# KiCad board mainboard.kicad_pcb (continued)
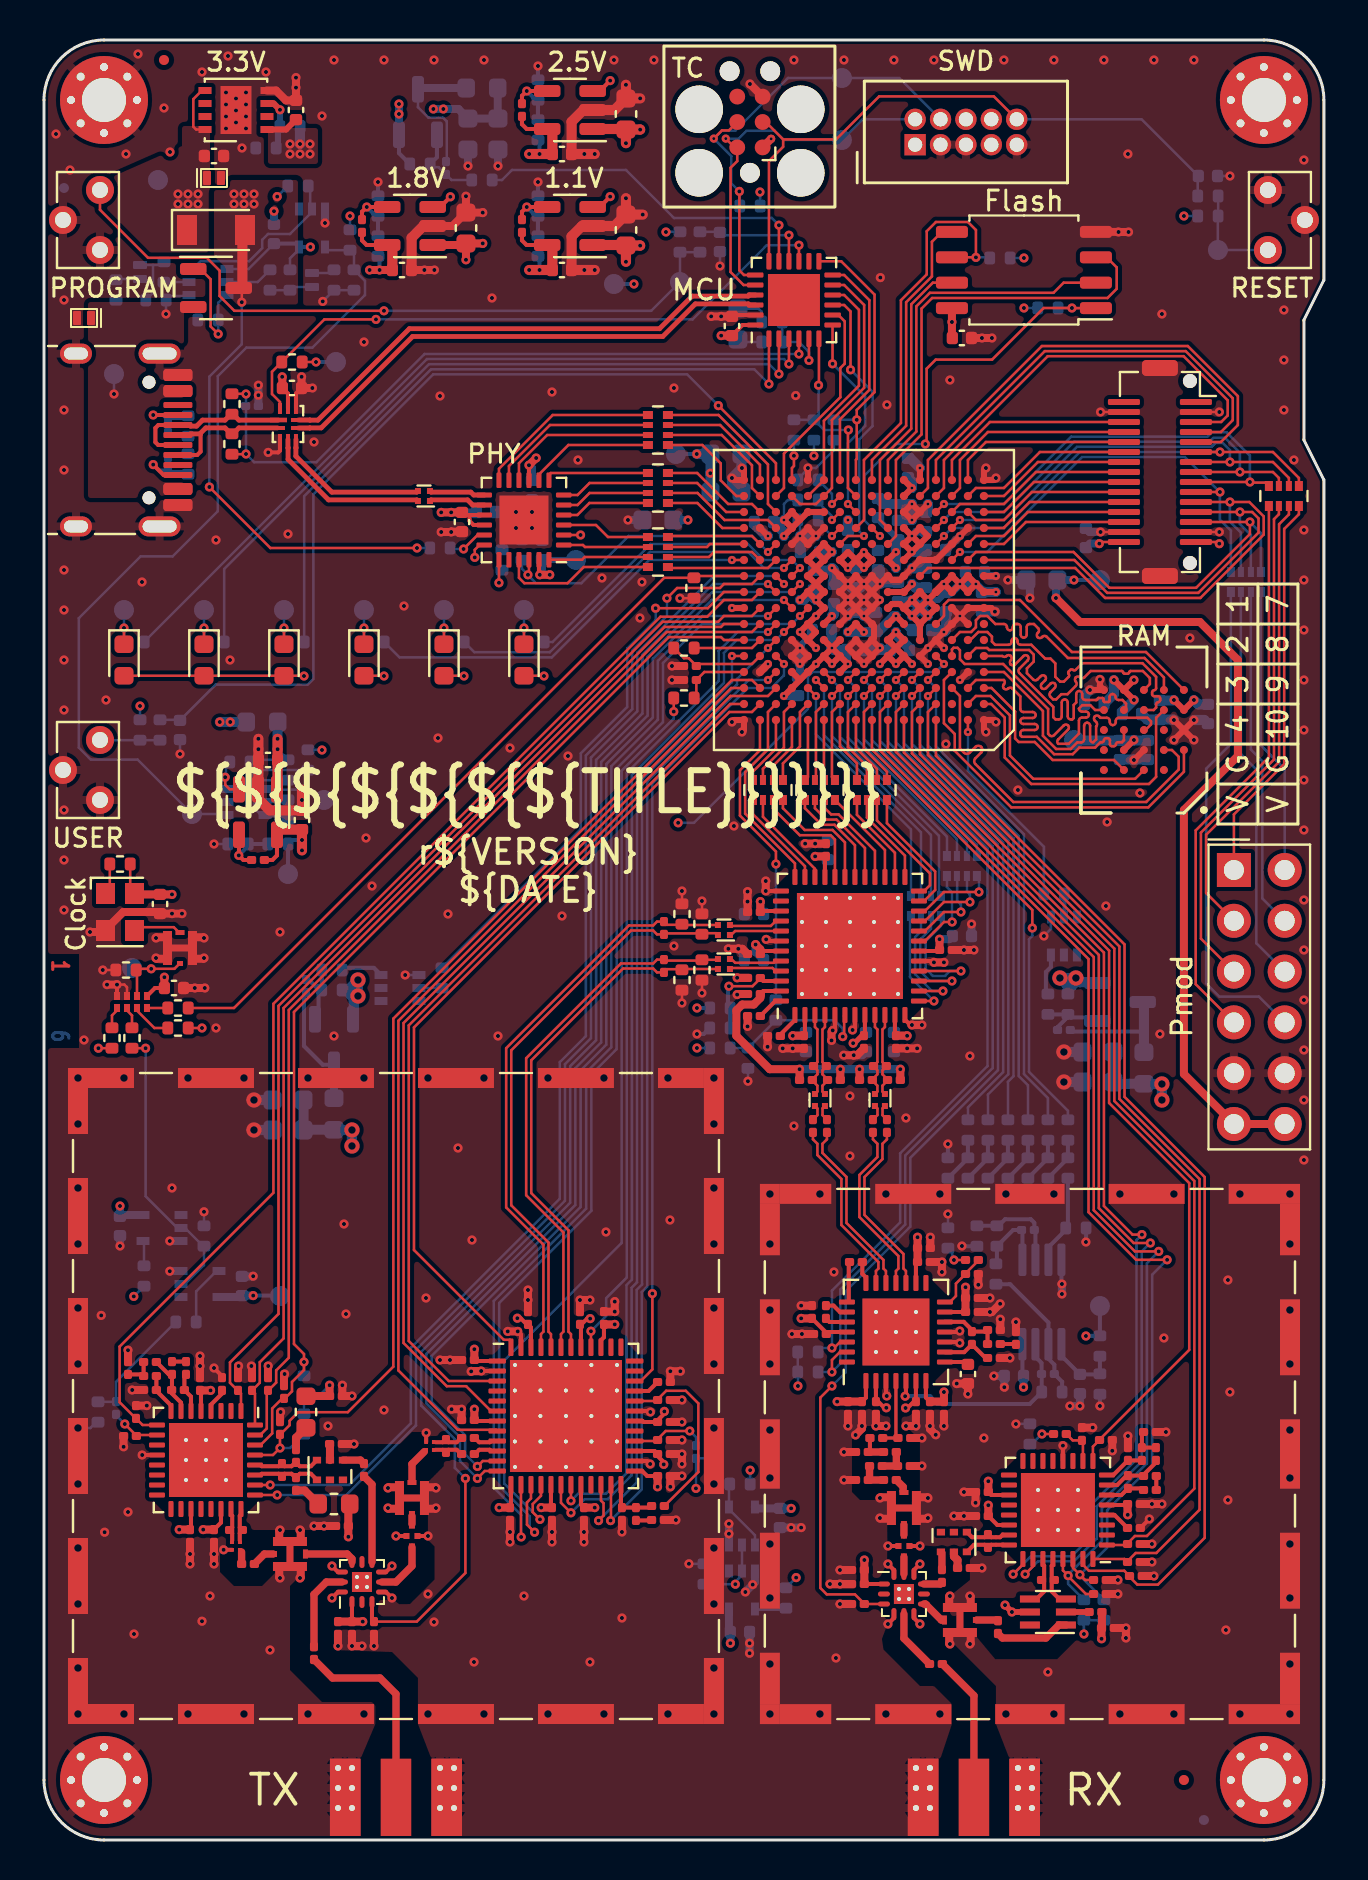
[diagram p0: board, top side]
## Nets (continued)
Net-(U20-D): R36.2 U20.1 U20.4
Net-(U21-Y1): R104.1 U21.5
Net-(U21-Y2): R105.1 U21.6
Net-(U21-Y3): R103.1 U21.7
Net-(U21-Y4): R45.1 U21.8
Net-(U24-ADJ): C185.2 R109.2 R117.1 U24.4
Net-(U24-VIN): C162.1 FB3.1 R108.1 R118.1 U24.1
Net-(Y1-OE): R18.2 Y1.1

Pads without a net: J1 A8 B8; J2 6 7 8; J3 6; J6 1 30; Q4 3 4 5; Q7 3 4 5; T1 5 6; T2 6; T5 5 6; U1 A3 B3 F1 G1 K4 M8 M9 P7 P8 R7 R8; U2 14 25; U4 2 6 7; U8 A2 A5 B5 C2 C5; U9 20; U11 38; U12 4 5 21 29 35 36 37 38; U13 2 3 11 13 14 15 16 17 18 20 21; U14 15 28; U16 2 8; U17 2 8; U18 2 3 11 13 14 15 16 17 18 20 21; U19 1; U22 1; U23 1; U25 1

## Via types
v1: diameter 0.457, hole 0.203, Top to Bottom, 689 vias
v2: diameter 0.41, hole 0.15, Top to Bottom, 118 vias
v3: diameter 0.762, hole 0.381, Top to Bottom, 92 vias

## Routing (per net, layer and track width the routed paths; a pad name or vN(x,y) marks a point on that pad's centre or on a via; arc(x,y) is an arc through that point)
3V3A: length 28.5
  Top w0.203: U11.39 35.87,46.45 C78.1 ; U11.8 41.05,40.27 C70.1 ; U24.5 11.65,49.23 11.42,49 C185.1 ; U11.43 35.97,44.45 C80.1 ; C76.1 39.05,49.13 U11.33 ; U11.2 38.05,40.27 C67.1 ; C74.1 42.55,40.27 U11.11
  Top w0.254: C70.1 40.9,40.22 40.52,39.84 v1(40.46,39.84)
  Top w0.4: C76.1 v1(38.56,49.18) ; v1(43.16,40.21) 43.15,40.22 C74.1 ; C78.1 v1(35.82,46.92) ; v1(35.58,44.77) 35.82,44.53 C80.1 ; v1(37.44,40.21) 37.45,40.22 C67.1
  Top w0.508: v1(12.9,49.48) v1(12.9,50) C192.1 11.91,50.52
  Bottom w0.203: TP21.1 12.2,49.79 R109.1 12.41,50 v1(12.9,50) ; R54.1 v1(32.65,41.6)
  Bottom w0.254: C69.1 41.08,40.38 40.54,39.84 v1(40.46,39.84)
  Bottom w0.4: v1(35.58,44.77) 35.58,44.4 C79.1 ; v1(38.56,49.18) 39.04,49.18 C75.1 ; C66.1 37.93,40.21 v1(37.44,40.21) ; C77.1 35.82,46.46 v1(35.82,46.92) ; C73.1 42.67,40.21 v1(43.16,40.21)
  Bottom w0.508: 15.2,42.5 R98.1 ; 15.2,42.5 v3(15.7,43) v3(15.7,42.2) ; 15.2,42.5 15.32,42.38 15.32,42.27 15.39,42.2 v3(15.7,42.2) ; R12.1 51.2,42.7 ; 51.2,42.7 v3(50.8,43.1) v3(51.6,43.1) ; 51.2,42.7 51.4,42.7 51.6,42.9 v3(51.6,43.1) ; Q5.2 52.62,42.89 51.81,42.89 v3(51.6,43.1) ; Q3.2 15.49,41.08 15.49,41.99 v3(15.7,42.2)
3V3FPGA: length 132.6
  Top w0.127: D5.2 20.99,58.21 v1(21,58.2) ; D6.2 24.99,58.21 v1(25,58.2) ; Y1.4 4.31,47.54 R18.1 ; J6.16 52.85,64.9 v1(52.77,64.82) ; v1(58.77,64.82) 58.69,64.9 J6.15 ; U9.2 v1(26.83,65.25) ; v1(21.54,64.13) 21.54,64.51 21.78,64.75 U9.18 ; D4.2 16.99,58.21 v1(17,58.2)
  Top w0.203: 21.28,66.25 21.28,65.95 21.48,65.75 U9.16 ; 21.28,66.25 21.03,66.25 C50.1 ; 21.28,66.25 U9.15 ; v1(28.31,82.17) 27.79,81.65 U5.3 ; U21.1 5.55,42.6 C158.1 ; v1(28.31,87.97) 27.79,87.45 U6.3 ; U7.3 19.81,81.65 v1(20.32,82.16) ; U9.9 v1(24.25,68.74)
  Top w0.305: U1.E6 v2(42.6,58.8) U1.E7 ; U1.E6 42.3,59.9 42.3,60.1 ; U1.E6 v2(43.4,58.8) ; U1.L11 U1.K12 U1.J11 v2(38.6,62) ; U1.L11 v2(39.4,64.4) U1.M11 38.6,64.4 ; U1.L11 38.6,64.4 ; U1.F12 v2(37.8,60.4) U1.G12 ; U1.F12 38.6,60.4 U1.G12 ; U1.F12 v2(38.6,59.6) ; U1.J12 U1.K11 U1.L12 38.6,64.4 ; U1.J12 v2(37.8,62) ; U1.J12 v2(38.6,62) ; v2(43.4,65.2) U1.N5 44.2,65.2 U1.M5 ; v2(43.4,65.2) U1.M6 v2(43.4,64.4) ; v2(43.4,65.2) U1.M5 ; v2(43.4,65.2) U1.N6 ; U1.E7 v2(41.8,58.8) ; U1.E7 U1.F6 v2(42.6,60.4) 42.3,60.1 ; v2(38.6,62) U1.H11 v2(38.6,61.2) U1.G12 ; 37.8,66 U1.P13 v2(37,66) U1.N13 ; 37.8,66 U1.N13 ; 37.8,66 U1.P12 U1.P11 ; U1.N13 v2(37,65.2) ; U1.J7 U1.J6 v2(43.4,62.8) ; U1.T6 v2(43.4,67.6) U1.R6 ; 42.3,60.1 U1.F7 ; v2(43.4,64.4) U1.M5 ; v2(43.4,64.4) U1.L6
  Top w0.4: C38.1 21.11,79.83 v1(21.94,79.83) ; C38.1 21.03,79.75 U7.1 ; C38.1 v1(21.1,79.01) ; v1(6.4,47.28) C56.1 4.57,47.28 Y1.4 ; C55.1 45.4,75.12 v1(45.4,75.9) U10.8 ; v1(19.86,66.38) v1(20.36,66.38) C50.1 ; v1(24.25,68.74) v1(24.61,69.1) ; v1(50.6,62.1) 51.8,60.9 57.8,60.9 59.7,59 59.7,54.2 57,51.5 57,38.3 J4.6 J4.12 ; C158.1 v1(6.02,43.14)
  Top w0.508: U6.1 29.08,85.55 C37.2 ; C33.1 29.81,79.72 v1(29.81,79.72) ; C33.1 29.08,79.75 U5.1 ; C33.1 v1(29.1,78.91) ; C37.2 29.81,85.53 v1(29.81,85.52) ; C37.2 v1(29.1,84.84)
  Bottom w0.127: Q2.4 10.23,78.55 C159.1 ; R37.1 v1(49,79.1) ; R40.2 37.2,67 37,66.8 v2(37,66) ; U19.5 12.75,79.53 12.3,79.08 R92.1 ; R22.1 v1(4.8,56.7) ; R38.1 v1(49,76.6) ; R97.1 v1(15.3,81.2) ; R43.1 v1(38.5,69.21)
  Bottom w0.203: v1(51.5,63) TP6.1 ; C159.1 12.58,79.82 U19.5 v1(13.32,79.65)
  Bottom w0.305: C26.1 43.28,59.48 v2(42.6,58.8)
  Bottom w0.4: v2(43.4,65.2) 43.62,65.42 C30.1 ; v1(19.47,86.55) v1(19.97,86.55) 20.72,86.55 C198.1 C199.1 22.69,86.09 FB4.2 ; C51.1 24.4,68.59 v1(24.25,68.74) ; v1(19.86,66.38) 21.6,66.38 C48.1 ; C52.1 52.3,64.82 v1(52.77,64.82) ; v1(50.6,62.1) 50.6,62.92 C20.1 v1(51.5,63) ; C19.1 v1(32.2,66)
  Bottom w0.508: v2(43.4,62.8) 43.58,62.62 C23.1 ; C26.1 43.28,59.59 42.6,60.27 v2(42.6,60.4) ; v2(37.8,62) 37.98,62 C25.1 38.5,62.1 v2(38.6,62) ; C29.1 43.4,67.92 v2(43.4,67.6) ; C21.1 v2(39.4,64.4) ; v2(37,66) 36.9,65.9 C28.1 37,65.38 v2(37,65.2) ; C22.1 44.02,64.4 v2(43.4,64.4)
3V3RX: length 39.9
  Top w0.203: C186.2 54.13,16.75 U18.5 ; U14.16 43.6,28.82 C171.1 ; C188.2 47.37,17.25 U18.19 ; U14.2 C167.1 41.71,21.92 42.02,21.61 v1(42.12,21.61) ; C166.1 41.1,22.12 U14.1 ; C169.1 44.1,22.12 U14.7 ; U14.25 39.22,25.4 C172.1 39.12,25.36 C195.1 ; U14.13 C170.1 ; U16.1 C112.1 ; U18.22 47.67,15.75 C190.2 ; v1(43.08,21.6) 43.18,21.6 43.5,21.92 C168.1 U14.6
  Top w0.4: L8.1 52.9,10.62 C130.2 v1(52.88,10.06) ; C188.2 v1(47.22,17.94) ; v1(43.68,30.14) C194.1 C171.1 ; C169.1 C174.1 v1(45,22.4) ; C195.1 v1(37.86,26.08) ; C190.2 v1(47.22,16.74) ; C186.2 54.18,16.27 v1(54.19,16.26) ; v1(39.66,21.92) C173.1 C166.1 ; v1(46.08,27.64) C175.1 C170.1 ; C112.1 C93.2 v1(41.02,14)
  Bottom w0.127: v1(37.7,22.7) 37.7,23.39 R61.2 R60.2 ; v1(52,10.3) R81.1 R80.1
  Bottom w0.203: U15.8 48.93,23.25 C104.1 ; TP13.1 R77.2 52.11,25.21 v1(52.1,25.2)
  Bottom w0.4: U20.5 35.62,16.58 C160.1 v1(37.36,16.58) ; C104.1 v1(48.98,22.64) ; v1(34.32,9.84) C161.1 34.25,10.47 U23.5
  Bottom w0.508: v3(55.9,37) v3(55.9,37.8) 55.01,37.8 FB2.2 53.56,37.81 C157.1 C156.1
3V3TX: length 41.9
  Top w0.203: C177.2 21.57,20.95 U12.7 ; v1(30.99,18.78) 30.99,18.89 30.68,19.2 C182.2 30.53,19.45 U12.27 ; U13.5 7.85,22.43 C187.2 ; U12.46 24.35,25.63 C193.1 24.14,25.78 23.83,26.09 v1(23.67,26.09) ; C63.1 26.86,25.78 ; C63.1 26.85,25.73 U12.41 ; C63.1 26.87,25.78 27.16,26.07 v1(27.31,26.07) ; C176.2 21.57,23.95 U12.1 ; U12.25 29.91,18.45 30.16,18.2 C181.2 ; U12.13 23.35,16.67 C178.2 ; U12.30 29.93,20.95 29.98,20.9 C183.2 30.68,20.98 31.02,21.32 v1(31.02,21.43) ; U13.22 8.85,15.87 C191.2 ; C179.2 25.35,16.67 U12.17 ; U17.1 C115.1 ; C180.2 26.85,16.77 U12.20 ; C189.2 7.35,15.57 U13.19 ; U12.39 27.85,24.99 28,25.14 C184.2
  Top w0.4: C176.2 v1(21.52,24.54) ; C179.2 v1(24.86,16.62) ; C180.2 v1(27.54,16.62) ; v1(14.28,22.74) C135.2 13.11,22.2 L14.1 ; C184.2 v1(28.54,25.78) ; C187.2 v1(8.33,22.48) ; C114.2 C115.1 v1(15.94,10.92) ; C181.2 v1(30.68,17.66) ; C178.2 v1(22.76,16.62) ; L12.1 15.22,16.73 C134.2 v1(15.22,15.16) ; C177.2 v1(21.52,21.54) ; C191.2 v1(7.96,15.52) ; C189.2 v1(6.76,15.52)
  Bottom w0.127: v1(14.28,22.74) 13.73,22.19 R86.1 R87.1
  Bottom w0.203: TP22.1 11.78,27.22 v1(10.46,27.22)
  Bottom w0.4: U25.5 9.83,27.15 C196.1 v1(10.46,27.22) ; v1(3.8,31.7) C62.1 3.87,31.25 U22.5
  Bottom w0.508: C151.1 C152.1 12.99,35.51 FB1.2 14.51,35.5 v3(15.4,35.5) v3(15.4,34.7)
+1V1: length 18.9
  Top w0.203: U5.5 24.13,79.75 23.9,79.98 C59.1
  Top w0.305: U1.L9 v2(40.2,63.6) U1.L10 40.2,64.4 U1.L9 ; U1.L9 v2(41,63.6) U1.L8 v2(41,64.4) U1.L9 ; U1.G7 v2(42.6,61.2) U1.G6 ; v2(41,60.4) U1.G9 v2(40.2,60.4)
  Top w0.508: 25.42,79.49 C35.1 v1(24.78,78.5) v1(24.26,78.5)
  Bottom w0.203: R124.1 24.78,79.11 v1(24.78,78.5) ; TP9.1 v1(32.64,69.3)
  Bottom w0.305: C14.1 43.3,60.5 v2(42.6,61.2)
  Bottom w0.508: v2(40.2,60.4) 40.58,60.4 C13.1 40.62,60.4 v2(41,60.4) 41.58,60.4 C11.1 41.72,60.42 42.5,61.2 v2(42.6,61.2) ; C9.1 33.33,68.33 v1(33.32,68.34) 33.33,68.34 C8.1 v1(32.64,69.3)
+1V8: length 53.3
  Top w0.203: U7.5 16.13,79.75 15.9,79.98 C58.1 ; C81.1 44.73,44.45 U11.18
  Top w0.305: U1.J4 v2(44.2,62) ; v2(44.2,62) U1.J5 v2(43.4,62) ; v2(44.2,62) U1.H4 v2(44.2,61.2) ; v2(44.2,62) U1.H5 ; v2(43.4,62) U1.H5 ; v2(43.4,62) U1.H6 ; U1.H5 v2(43.4,61.2) ; U1.H5 v2(44.2,61.2) ; U1.F10 v2(39.4,59.6) ; v2(39.4,59.6) U1.E11 ; v2(39.4,59.6) U1.F11 ; v2(39.4,59.6) U1.E10 ; 37.8,58 U1.C13 v2(37,57.2) ; 37.8,58 U1.D13 ; 37.8,58 U1.D12 v2(38.6,58.8) U1.E11 ; U1.E10 v2(40.2,58.8) U1.D10 ; U1.E10 v2(39.4,58.8) U1.E11 ; U1.H6 42.8,61.8 42.4,61.8 U1.H7 ; U1.H6 v2(43.4,61.2) ; v2(43.4,61.2) U1.G5 ; U8.E4 v1(54.5,57) ; U8.E4 v1(54.5,58) ; U8.E4 v1(53.5,58) ; v2(45.8,62.8) U1.K3 v2(45,62.8) U1.J3 v2(45.8,62.8) ; v2(45.8,62.8) U1.J2 v2(46.6,62.8) ; v2(45.8,62.8) U1.K2 v2(46.6,62.8) ; U8.B4 v1(54.5,55) ; v2(44.2,61.2) U1.G5 ; v1(57.5,57) U8.D1 v1(56.5,57) ; U1.G5 U1.F5 ; v2(46.6,62.8) U1.J1 v2(47.6,62.4)
  Top w0.4: C40.1 v1(16.78,78.5) v1(16.28,78.5) ; U1.J4 v2(45,62.8) ; C81.1 v1(44.78,45.04)
  Top w0.508: 17.42,79.68 C40.1
  Bottom w0.203: v1(16.78,78.5) 16.78,79.11 R122.1
  Bottom w0.305: C32.1 44.72,62 v2(44.2,62) ; v2(40.2,58.8) 40.2,59.42 C24.1
  Bottom w0.4: C31.1 46.9,62.5 v2(46.6,62.8) v2(45.8,62.8) 45.38,62.38 C32.1 45,62.48 v2(45,62.8) ; C82.1 45.26,45.04 v1(44.78,45.04) ; C200.1 37.68,57.2 v2(37,57.2) ; C201.1 46.07,62.87
  Bottom w0.508: C45.1 53.92,56.42 v1(54.5,57) ; C46.1 43.32,61.92 v2(43.4,62) v2(44.2,61.2) ; C41.1 57.72,56.78 v1(57.5,57) ; v1(56.5,57) 56.48,56.98 C44.1 ; C24.1 39.5,59.5 v2(39.4,59.6) 39.38,59.62 C27.1 ; v1(53.5,58) 53.5,57.3 C42.1 ; C47.1 54.52,54.98 v1(54.5,55) 54.48,54.98 C43.1 51.52,54.98 TP11.1 ; v2(43.4,61.2) 44.16,61.96 44.2,61.96 ; C31.1 46.92,62.4 v2(47.6,62.4)
+2V5: length 10.8
  Top w0.203: U6.5 24.14,85.55 23.9,85.79 C57.1
  Top w0.305: v2(42.6,63.6) U1.L7 v2(42.6,64.4) ; U1.G11 v2(39.4,61.2)
  Top w0.508: v1(24.26,84.3) v1(24.78,84.3) C39.1 25.42,85.29
  Bottom w0.203: R120.1 24.78,84.92 v1(24.78,84.3) ; TP10.1 v1(29.5,77.8)
  Bottom w0.305: 41.72,66.02 42.68,65.07
  Bottom w0.508: 42.8,65.02 42.6,64.82 v2(42.6,64.4) v2(42.6,63.6) ; v2(39.4,61.2) 39.5,61.3 C17.1
+3V3: length 24.9
  Top w0.127: v1(13,58.2) 12.99,58.21 D3.2 D2.2 D1.2 ; R6.1 v1(13.6,73.9)
  Top w0.203: U2.24 34.93,75.75 C3.1 ; C4.1 12.2,72.32 U3.9
  Top w0.305: C34.1 12.11,85.53 U4.1
  Top w0.4: C3.1 v1(33.86,75.22) ; v2(36.36,85.06) 35.94,84.64 J3.1 ; v1(11.91,73.16) 11.92,73.15 C4.1
  Bottom w0.127: R5.1 35.81,82.39 v1(35.8,82.4) ; R1.1 34.83,74.9 C2.1 ; R3.1 v1(57,81.2) ; v1(31.1,80.4) 31.11,80.41 R32.1
  Bottom w0.203: v1(13.6,73.9) TP8.1 ; R114.1 17.75,84.34 Q8.2
  Bottom w0.4: v1(17.75,86.8) v1(17.75,86.3) Q8.2 ; C2.1 34.5,75.22 v1(33.86,75.22)
  Bottom w0.508: R16.1 12.8,85.67 v1(12.8,84.8)
  vias: v1(12.3,84.8) v1(12.3,84.3) v1(12.8,84.3) v1(13.3,84.8) v1(13.3,84.3)
+5V: length 4.1
  Top w0.127: U4.5 7.89,87.47 7.47,87.05 7.47,85.67 7.61,85.53 U4.8
  Bottom w0.508: v1(8.79,55.9) v1(9.31,55.9) FB3.2
  vias: v1(6.7,82.3) v1(6.7,81.8) v1(7.2,82.3) v1(7.2,81.8) v1(7.7,82.3) v1(7.7,81.8)
/Analog Power Supplies/3V3A_EN: length 38.1
  Top w0.127: U1.E4 v2(45,58.8)
  In3.Cu w0.127: v1(31.71,50.86) 24.44,50.86 20.8,54.5 v1(13.9,54.5)
  Bottom w0.127: v1(13.9,54.5) 13.89,54.51 R126.2 ; v2(45,58.8) 44.6,58.4 38.43,58.4 38.2,58.17 38.2,56.56 32.5,50.86 v1(31.71,50.86)
/Analog Power Supplies/3V3RX_EN: length 10.3
  Top w0.127: U1.A2 v2(46.2,55.4)
  Bottom w0.127: v2(46.2,55.4) 46.2,53.46 50,49.66 R101.2
/Analog Power Supplies/3V3TX_EN: length 27.2
  Top w0.127: v1(30.58,61.59) 33.19,61.59 34,62.4 U1.J16
  Bottom w0.127: R99.2 26.84,50.55 26.84,54.33 29.16,56.65 29.16,59.58 30.58,61 v1(30.58,61.59)
/USB/VBUS_SENSE: length 2
  Top w0.127: v1(20.98,64.55) 21.68,65.25 U9.17
  Bottom w0.127: R19.2 20.36,64.55 v1(20.98,64.55)
/USB/VDD18: length 4.3
  Top w0.203: v1(24.79,63.26) 24.75,63.3 U9.23
  Top w0.4: v1(24.79,63.26) v1(25.29,63.26)
  Bottom w0.305: TP12.1 24.92,64 C49.1
  Bottom w0.4: C49.1 24.9,63.37 v1(24.79,63.26) v1(25.29,63.26)
GND: length 304.5
  Top w0.127: J6.29 v1(52.83,71.4) ; R51.2 v1(32.9,42.35) ; R52.2 v1(32.9,46.95) ; J6.14 v1(58.77,65.4) ; R53.2 v1(31.9,47.45) ; R131.2 v1(31.8,62.09) ; U21.3 4.15,42.64 4.02,42.77 v1(3.65,42.77) ; R115.2 v1(2.94,43.5) ; J6.2 v1(58.77,71.4) ; J6.17 v1(52.83,65.4) ; R50.2 v1(31.9,41.85)
  Top w0.203: U12.26 30.16,18.95 v1(30.31,18.8) ; v1(8.5,23.6) 8.9,23.2 R88.2 ; v1(30.32,21.4) 30.27,21.45 U12.31 ; v1(43.4,40.75) 43.32,40.75 43.05,41.02 U11.12 ; U16.10 43.5,13.5 v1(43.8,13.8) ; v1(39.44,40.48) 39.55,40.59 U11.5 ; v1(42.14,22.2) 42.1,22.24 U14.3 ; C3.2 34.47,76.25 U2.23 ; v1(11.21,69.38) 11.71,69.38 11.8,69.47 U3.3 ; v1(14.4,13.7) 14.7,13.4 U17.10 ; U17.12 14.7,12.4 v1(14.4,12.1) ; v1(17.4,13.7) 17.1,13.4 U17.6 ; U13.12 v1(4.91,19.25) ; U12.47 23.85,25.27 v1(23.69,25.43) ; FL3.4 v1(42.2,14.7) ; v1(45.79,25.45) 45.74,25.4 U14.11 ; U11.17 44.43,43.95 v1(44.5,43.88) ; v1(17.4,12.1) 17.1,12.4 U17.4 ; U16.4 42.5,11.1 v1(42.2,10.8) ; T4.1 v1(8.98,14.51) ; v1(42.2,13.8) 42.5,13.5 U16.12 ; T3.1 v1(19.11,20.36) ; U12.2 v1(21.86,23.45) ; v1(40.43,40.5) 40.55,40.62 U11.7 ; v1(36.11,45.03) 36.19,44.95 U11.42 ; FL2.2 v1(17.6,15.2) ; R82.2 v1(55.27,16.05) ; U16.6 43.5,11.1 v1(43.8,10.8) ; U21.4 v1(3.65,42.77) ; FL2.4 v1(19.2,15.2) ; FL3.2 v1(43.8,14.7) ; U3.8 12.6,72.32 C4.2 ; U11.37 v1(36.09,47.45) ; v1(45.79,24.85) 45.74,24.9 U14.10 ; U18.12 v1(50.95,19.72)
  Top w0.293: 41.84,16.06 v1(41.8,16.1) ; T2.5 v1(48.4,11.4) v1(48.05,11.75)
  Top w0.305: v2(40.2,62) U1.H9 ; v2(40.2,62) U1.J10 v2(40.2,62.8) ; v2(40.2,62) U1.H10 v2(40.2,61.2) ; v2(40.2,62) U1.J9 ; U1.H9 v2(41,61.2) ; U1.H9 v2(40.2,61.2) ; U1.H9 v2(41,62) ; U1.F8 41.5,60.1 41.5,60.7 U1.G8 v2(41,61.2) ; U1.F8 v2(41.8,59.6) U1.E8 ; U1.F8 U1.E9 ; U1.G10 v2(40.2,61.2) ; v1(47.55,61.42) 47.37,61.6 U1.H1 U1.H2 v2(45.8,61.2) ; v2(40.2,62.8) U1.K9 v2(41,62.8) ; v2(40.2,62.8) U1.J9 ; v2(40.2,62.8) U1.K10 v2(39.4,63.6) ; U1.T12 v1(38.2,68.6) ; v2(41,61.2) U1.H8 ; v1(34.9,68.6) 35,68.5 U1.T16 34.5,68 v1(34.4,68.1) ; U1.J8 v2(41.8,62) U1.H8 ; U1.J8 v2(41.8,62.8) ; U1.J8 v2(41,62) ; U1.J8 v2(41,62.8) ; v2(37.8,65.2) U1.M12 v2(38.6,65.2) ; v2(37.8,65.2) U1.N12 v2(38.6,65.2) ; v2(37.8,65.2) U1.M13 ; v2(45.8,61.2) U1.G3 v2(45,60.4) U1.F4 ; v2(45.8,61.2) U1.G2 ; v2(45.8,61.2) U1.H3 ; U1.E8 v2(41,58.8) U1.E9 ; U1.E8 U1.F9 40.2,59.6 U1.E9 ; v2(41.8,62.8) U1.K8 v2(41,62.8) ; v2(41.8,62.8) U1.K7 42.4,63 42.8,63 U1.K6 v2(43.4,63.6) U1.L5 U1.L4 U1.M3 v2(45.8,65.2) U1.N2 ; v1(52.8,58.03) 52.8,57.7 U8.E5 v1(52.3,57.5) ; U1.P5 v2(43.4,66.8) U1.P6 v2(43.4,66) U1.P5 ; U1.P5 v2(44.2,66.8) ; v2(41,62.8) U1.J9 ; U1.J9 v2(41,62) ; U1.H16 v2(34.4,61.6) ; v2(41,62) U1.H8 ; U8.C1 v1(57.5,56) ; U8.C1 v1(57.5,55) ; U8.C1 v1(56.5,56) ; U8.C1 v1(56.5,55) ; U1.K1 v2(47.6,63.2) ; v1(34.4,55.9) 34.5,56 U1.A16 35,55.5 v1(34.9,55.4) ; v1(47.1,68.6) 47,68.5 U1.T1 47.5,68 v1(47.6,68.1) ; v2(38.6,65.2) U1.N11 ; U1.N15 v2(36.2,65.2) ; v1(47.1,55.4) 47,55.5 U1.A1 47.5,56 v1(47.6,55.9) ; U1.D2 v2(45.8,58) ; v2(37.8,59.6) U1.E12 v2(37.8,58.8) U1.E13 v2(37.8,59.6) ; v2(37.8,59.6) U1.F13 ; U8.B3 v1(54.5,54) ; U1.F4 v2(44.2,59.6) U1.E5 v2(44.2,58.8) ; U1.F4 v2(45,59.6) ; U1.T5 v2(43.8,68.6)
  Top w0.4: C182.1 v1(31.9,19.3) v1(31.9,18.8) ; J5.3 45.26,12.16 v1(45.3,12.2) ; v1(44.9,28.4) v1(44.9,28.9) C171.2 ; v1(21.94,81.37) 21.11,81.37 C38.2 ; L5.2 v1(40,18) ; C118.2 v1(53.7,13) ; C93.1 v1(39.8,13.5) ; C55.2 v1(46.9,75.1) v1(47.4,75.1) ; v1(55.9,16.8) v1(55.4,16.8) C186.1 ; v1(19.8,24) v1(20.3,24) C176.1 ; v1(14.92,22.74) C135.1 v1(15.4,22.2) ; v1(12.88,73.16) C4.2 v1(13.42,72.6) ; v1(44.5,43.88) v1(45,43.88) ; C143.2 v1(4.41,22.5) ; v1(17.2,16.6) 17.24,16.56 J11.3 ; v1(8,45.1) 7.96,45.14 J12.3 ; C173.2 v1(40.2,20.7) ; C83.2 v1(31.32,23.44) v1(31.82,23.44) ; C191.1 v1(8.5,14.3) v1(8.5,13.8) ; C78.2 v1(35.18,46.92) v1(35.18,47.42) ; J9.3 41.84,16.06 ; J9.3 44.16,16.06 v1(44.2,16.1) ; C174.2 v1(45,20.7) ; C194.2 v1(44.32,30.14) ; v1(54.23,80.4) v1(53.73,80.4) 53.72,80.41 U10.4 ; v1(6.9,46.32) v1(6.4,46.32) C56.2 5.72,46.4 3.96,46.4 3.08,45.52 Y1.2 3,45.4 v1(2.3,45.4) ; J12.3 5.64,45.14 v1(5.6,45.1) ; v1(7.3,13.8) v1(7.3,14.3) C189.1 ; v1(19.52,78.5) v1(19.02,78.5) C40.2 ; J5.3 46.34,12.16 v1(46.3,12.2) ; v1(42.1,20.7) v1(41.6,20.7) C167.2 ; C184.1 v1(28.54,26.42) v1(28.54,26.92) ; C81.2 v1(46,44.5) v1(46.5,44.5) ; C128.1 v1(46.9,13.6) ; C38.2 20.42,80.7 U7.2 ; C38.2 v1(21.1,82.19) ; J11.3 17.24,17.64 v1(17.2,17.6) ; U4.4 11.61,87.47 12.1,86.98 C34.2 v1(12.6,87.62) v1(12.6,88.12) ; v1(11.8,13.1) 11.76,13.14 J10.3 ; C90.1 v1(31.9,22) ; C112.2 v1(39.8,12.8) v1(39.3,12.8) ; C137.2 11.2,23.7 ; C116.2 v1(55.4,13.9) ; C172.2 v1(37.9,25.3) v1(37.4,25.3) ; C121.2 v1(55.4,14.8) ; C67.2 v1(37.44,39.58) v1(36.94,39.58) ; J10.3 12.84,15.46 v1(12.8,15.5) ; v1(12.8,13.1) 12.84,13.14 J10.3 ; C190.1 v1(46,16.2) v1(45.5,16.2) ; v1(27,14.9) v1(27,15.4) C180.1 ; J12.3 7.96,44.06 v1(8,44.1) ; C130.1 v1(54.1,10.6) v1(54.1,10.1) ; C99.1 v1(48.3,24.1) ; v1(40.58,20.25) 40.9,20.57 v1(40.9,20.7) C166.2 ; v1(38.06,49.82) v1(38.56,49.82) C76.2 ; C97.1 v1(47.82,26.04) ; v1(19.86,65.4) v1(20.36,65.4) 20.38,65.42 C50.2 ; C113.1 v1(39.8,11.8) ; C133.1 v1(15.5,19.8) ; C175.2 v1(47.3,27.1) ; v1(46.3,9.8) 46.34,9.84 J5.3 ; v1(45.64,22.82) C96.2 v1(46.2,22.3) ; v1(41.8,17.1) 41.84,17.14 J9.3 ; C72.2 v1(35.18,40.68) ; v1(19.6,17.6) 19.56,17.64 J11.3 ; v1(24.2,27.5) v1(24.2,27) C193.2 ; v1(34.22,44.56) v1(34.72,44.56) 34.92,44.56 C80.2 ; v1(39.99,39.24) v1(40.49,39.24) 40.66,39.24 C70.2 ; v1(19.6,16.6) 19.56,16.56 J11.3 ; C125.2 v1(56.1,20.4) ; C119.2 v1(53.7,12.3) ; v1(15.9,9.7) v1(15.4,9.7) C115.2 ; C179.1 v1(25.4,15.4) v1(25.4,14.9) ; L4.2 v1(43.9,18.7) ; v1(45.3,9.8) 45.26,9.84 J5.3 ; C169.2 v1(44.3,20.7) 44.3,20.55 v1(44.59,20.26) ; L3.2 v1(40,19.4) ; v1(23.69,25.43) v1(23.19,25.43) ; v1(13.5,15.7) v1(14,15.7) C134.1 ; C158.2 v1(7.54,42.6) v1(8.04,42.6) ; v1(34.66,42.27) 34.69,42.3 C71.2 ; v1(23.3,14.9) v1(23.3,15.4) C178.1 ; J12.3 5.64,44.06 v1(5.6,44.1) ; v1(34.66,43.11) 34.67,43.1 C165.2 ; C170.2 v1(47.3,26.4) 47.4,26.4 v1(47.81,26.81) ; C117.2 v1(55.5,13.2) ; v1(36.09,47.45) v1(36.09,47.95) ; C3.2 v1(33.86,76.18) v1(33.36,76.18) ; v1(3.65,42.77) v1(3.15,42.77) ; C164.2 v1(31.4,58) ; C187.1 v1(7.8,23.7) v1(7.8,24.2) ; J9.3 44.16,17.14 v1(44.2,17.1) ; C122.2 v1(54.2,20.2) ; J10.3 11.76,15.46 v1(11.8,15.5) ; C138.2 12,23.3 ; C168.2 v1(43.6,20.7) v1(43.1,20.7) ; C149.1 v1(16.5,9.7) ; v1(46.58,16.86) C188.1 v1(46,17.4) ; C114.1 v1(14.7,9.7) ; C142.2 v1(3.98,19.66) ; v1(43.4,40.75) v1(43.9,40.75) ; v1(39.38,39.98) 39.38,40.42 v1(39.44,40.48) ; C145.2 v1(4.2,24.49) ; C163.2 v1(31.4,58.7) ; L2.2 v1(43.9,20.1) ; v1(11.83,21.4) 11.8,21.37 C139.2 ; C74.2 v1(43.16,39.58) v1(43.66,39.58) ; C183.1 v1(31.9,20.9) ; v1(31.9,18.2) C181.1 v1(31.32,17.66) ; v1(27.3,27) v1(26.8,27) C63.2 ; C195.2 v1(37.86,26.72) ; C88.1 v1(28.9,15.4) ; v1(21.36,23.43) 21.38,23.45 v1(21.86,23.45) ; C140.2 v1(5.14,21.72) ; C95.2 v1(46.72,27.76) ; v2(36.2,58.8) U1.D15 ; C136.2 10.4,23.7 ; C123.2 v1(52.44,20.62) ; C98.1 v1(48.6,25.9) ; C120.2 v1(53.42,19.46) ; C68.1 v1(36.18,39.66) ; v1(35.3,87.8) 35.93,87.17 J3.5 ; C89.1 v1(31.6,16) ; v1(20.38,21.54) v1(20.88,21.54) C177.1 ; C141.2 9.7,23.7 ; C87.2 v1(31.9,20)
  Top w0.508: C33.2 29.11,81.27 v1(29.94,81.27) ; C33.2 28.53,80.7 U5.2 26.9,80.7 26.38,80.18 C35.2 v1(27.02,78.5) v1(27.54,78.5) ; C33.2 v1(29.1,82.09) ; C37.1 28.53,86.5 U6.2 26.97,86.5 26.38,85.91 C39.2 v1(27.02,84.3) v1(27.54,84.3) ; C37.1 29.11,87.08 v1(29.81,87.08) ; C37.1 v1(29.1,87.76) ; U7.2 18.97,80.7 18.38,80.11 C40.2 ; v1(10.72,55.06) v1(10.72,54.54) C162.2 10.72,52.56 U24.2 10.7,52.07 11.29,51.48 C192.2 v1(12.9,52) v1(12.9,52.52)
  Bottom w0.127: R130.2 v1(32.25,13.81) ; R133.2 48.61,20.81 v1(48.6,20.8) ; v1(13.94,76.93) R93.2 R96.1 ; v1(50,45.2) 50.35,45.55 Q7.1 ; R134.2 2.61,20.89 2.32,20.6 v3(1.7,20.6) ; R31.2 v1(35.2,37.94) ; R95.2 v1(11.66,82.17) ; R127.2 v1(8,31.41) ; R42.2 39.5,69.5 38.6,68.6 v1(38.2,68.6) 38.2,68.56 37.69,68.05 R41.2 ; R132.2 v1(45.2,31.3) ; v1(12.9,52.52) 11.08,52.52 Q6.4 ; R117.2 v1(8.5,49.8) ; R2.2 35.89,76.41 35.72,76.58 C2.2 ; C1.2 v1(59.3,83.2) ; C53.2 v1(6.8,54.3) ; R39.2 37.8,65.89 v2(37.8,65.2) ; v1(18.06,43.25) Q4.1 ; C54.2 v1(33.8,78.7) ; R135.2 v3(33.5,20.6)
  Bottom w0.203: v1(52.1,29.9) 52.11,29.91 R73.2 ; R74.1 45.91,29.69 v1(45.9,29.7) ; R121.2 v1(24.7,88.7) ; R55.2 32.99,40.3 v1(32.65,40.3) ; R125.2 v1(24.7,82.9) ; R47.2 v1(45.2,34.8) ; v1(50.9,27.8) 50.88,27.83 U15.4 ; R78.2 v1(52.8,21.7) ; R123.2 v1(16.7,82.9)
  Bottom w0.305: C27.2 38.42,60.32 37.8,59.7 v2(37.8,59.6)
  Bottom w0.4: v1(37.44,39.58) 37.94,39.58 C66.2 ; v1(34.72,44.56) 35.02,44.26 C79.2 ; U22.3 v1(6.29,29.95) ; v1(35.18,46.92) 35.18,46.46 C77.2 ; v2(37.8,58.8) 37.8,58.28 C200.2 ; C5.2 v1(10.72,72.24) v1(10.72,72.74) ; C2.2 34.31,76.18 v1(33.86,76.18) ; v1(34.25,15.81) v1(34.25,15.31) U20.3 ; C75.2 39.04,49.82 v1(38.56,49.82) ; C160.2 v1(37.36,15.62) v1(37.86,15.62) ; C199.2 v1(22.7,83.7) ; v1(48.02,22.64) C104.2 v1(47.5,23.2) ; v1(51.3,21.7) v1(51.8,21.7) C106.2 ; C52.2 52.28,65.4 v1(52.83,65.4) ; v1(50.9,27.8) v1(50.9,27.3) ; v1(35.07,12.4) v1(35.44,12.77) 35.55,12.88 U23.3 ; C62.2 v1(3.8,29.7) ; C201.2 47.23,63.2 v2(47.6,63.2) ; v1(6.29,28.44) 6.3,28.45 U25.3 ; v1(48.2,63) C20.2 49.3,62.83 v1(49.3,62.1) ; v1(10.46,28.19) 10.45,28.18 C196.2 ; C19.2 v1(29.2,66) ; v1(35.28,9.34) v1(35.28,9.84) C161.2 ; C198.2 v1(21.2,83.7) ; C159.2 v1(11.5,81.44) ; v1(43.16,39.58) 42.66,39.58 C73.2 ; C69.2 40.92,39.24 v1(40.49,39.24) ; C22.2 45.1,64.5 v2(45.8,65.2) ; C82.2 v1(46.38,45.8) ; U19.3 v1(14.05,80.85)
  Bottom w0.508: C25.2 39.28,63.48 v2(39.4,63.6) 39.5,63.5 C17.2 ; C42.2 52.04,57.24 v1(52.3,57.5) ; 39.78,62.8 v2(40.2,62.8) 40.38,62.62 C15.2 40.82,62.62 v2(41,62.8) v2(41.8,62.8) ; v2(41.8,62.8) 41.88,62.88 C46.2 ; v2(41.8,62.8) 41.8,63.52 ; v1(56.5,56) 56.48,56.02 C44.2 55.16,56.02 C45.2 ; C47.2 54.52,54.02 v1(54.5,54) 54.48,54.02 C43.2 ; v2(37.8,58.8) v2(37.8,59.6) ; v2(40.2,61.2) 40.38,61.38 C13.2 40.82,61.38 v2(41,61.2) 41.18,61.38 C11.2 ; C24.2 41.7,59.5 v2(41.8,59.6) 41.9,59.5 C26.2 ; C152.2 v3(10.5,35.5) ; C9.2 34.4,67.88 v1(34.4,68.1) v1(34.9,68.6) 34.88,68.62 C8.2 ; C41.2 58.02,56 v1(57.5,56) ; v2(43.4,63.6) 43.42,63.58 C23.2 ; C28.2 35.52,65.78 36.1,65.2 v2(36.2,65.2) ; C151.2 v3(10.5,37) ; v2(40.2,66) C12.2 ; C21.2 37.82,65.18 v2(37.8,65.2) v2(38.6,65.2) ; C29.2 43.32,69.08 v2(43.8,68.6) ; C32.2 45.1,60.5 v2(45,60.4) 44.9,60.5 C14.2 ; C157.2 v3(51,37.9) ; 42.8,65.98 42.82,66 v2(43.4,66) v2(43.4,66.8) 41.98,66.8 41.8,66.98 ; v1(47.55,61.42) C31.2 ; C156.2 v3(51,39.4) ; C30.2 44.2,66.48 v2(44.2,66.8)
  vias: v1(0.6,85.3) v1(1,77) v1(1,71.5) v1(1,68.5) v1(1,63.5) v1(1,61.5) v1(1,59) v1(1,56.5) v1(1,51.5) v1(1,49) v1(1,46.5) v1(1.3,83.5) v1(2,40) v1(2.86,26.23) v1(3.03,15.39) v1(3.1,57) v1(4.1,84.3) v1(4.2,16.4) v1(4.5,10.3) v1(4.7,89.3) v1(4.9,62.9) v1(6,86.6) v1(6.3,84.4) v1(6.4,32.6) v1(7.9,88.4) v1(7.9,10.94) v1(8.3,12.2) v1(8.6,65) v1(8.6,40.6) v1(9.1,87.38) v1(9.1,86.78) v1(9.1,86.17) v1(9.1,85.58) v1(9.2,89.2) v1(9.3,59) v1(9.6,87.08) v1(9.6,86.47) v1(9.6,85.88) v1(9.73,23.7) v1(9.9,84.6) v1(10.1,87.38) v1(10.1,86.78) v1(10.1,86.17) v1(10.1,85.58) v1(10.37,23.7) v1(11.1,88.4) v1(11.21,23.7) v1(11.3,9.5) v1(11.8,45.4) v1(12.03,23.3) v1(12.2,65.3) v1(13.5,69.9) v1(13.9,86.2) v1(14.2,20.7) v1(14.5,89) v1(14.5,40.2) v1(15,30.8) v1(15.1,26.3) v1(16,74.9) v1(16.1,50.1) v1(16.4,47.7) v1(17,89) v1(17,21.5) v1(18,61.7) v1(19.1,27.1) v1(19.2,12.3) v1(19.5,89) v1(19.5,10.9) v1(19.7,55.1) v1(19.8,72.2) v1(20.2,46.3) v1(20.7,34.6) v1(21.4,30) v1(21.5,8.9) v1(22,89) v1(22.4,77.1) v1(22.7,40.2) v1(23.3,54.6) v1(23.6,66.4) v1(23.6,65.6) v1(24,12.2) v1(24.4,66.4) v1(24.4,65.6) v1(25.4,72.4) v1(25.9,46.2) v1(26.2,54.2) v1(26.7,69) v1(27.3,8.9) v1(27.9,63.1) v1(28.1,30.4) v1(28.5,89) v1(28.9,11.1) v1(29.8,61.1) v1(29.9,62.9) v1(30.5,89) v1(31.3,31) v1(31.5,72.6) v1(31.5,44.7) v1(34.5,50.7) v1(37.5,89) v1(37.5,35.7) v1(37.59,72.22) v1(39.5,28.4) v1(39.6,9.1) v1(40,89) v1(40.3,37.2) v1(40.3,34.2) v1(41.82,78.12) v1(42.15,71.76) v1(42.5,89) v1(43.1,36.1) v1(44.5,89) v1(45.1,54.8) v1(45.3,73) v1(46.3,39.2) v1(47,20.1) v1(48,89) v1(48.7,52.5) v1(50.2,8.4) v1(50.5,89) v1(53,89) v1(53.1,46.7) v1(53.16,50.9) v1(54.2,84.3) v1(54.8,52.35) v1(55.5,89) v1(55.8,40.3) v1(55.9,76.3) v1(56,25.1) v1(57.3,60.1) v1(57.5,89) v1(59.1,10.5) v1(59.2,28) v1(59.2,17) v1(59.3,22.4) v1(62,76.5) v1(62,74) v1(62,71.5) v1(62.5,69) v1(63,84) v1(63,65.5) v1(63,63) v1(63,60.5) v1(63,58) v1(63,55.5) v1(63,53) v1(63,50.5) v1(63,47) v1(63,44.5) v1(63,42) v1(63,39.5) v1(63,37) v1(63,34) v3(1.7,38.1) v3(1.7,35.8) v3(1.7,32.6) v3(1.7,29.8) v3(1.7,26.6) v3(1.7,23.8) v3(1.7,17.8) v3(1.7,14.6) v3(1.7,11.8) v3(1.7,8.6) v3(1.7,6.3) v3(4,38.1) v3(4,6.3) v3(7.2,38.1) v3(7.2,6.3) v3(10,38.1) v3(10,6.3) v3(13.2,38.1) v3(13.2,6.3) v3(16,38.1) v3(16,6.3) v3(19.2,38.1) v3(19.2,6.3) v3(22,38.1) v3(22,6.3) v3(25.2,38.1) v3(25.2,6.3) v3(28,38.1) v3(28,6.3) v3(31.2,38.1) v3(31.2,6.3) v3(33.5,38.1) v3(33.5,35.8) v3(33.5,32.6) v3(33.5,29.8) v3(33.5,26.6) v3(33.5,23.8) v3(33.5,17.8) v3(33.5,14.6) v3(33.5,11.8) v3(33.5,8.6) v3(33.5,6.3) v3(36.3,32.3) v3(36.3,29.8) v3(36.3,26.5) v3(36.3,23.8) v3(36.3,20.5) v3(36.3,18.1) v3(36.3,14.8) v3(36.3,12.1) v3(36.3,8.8) v3(36.3,6.3) v3(38.8,32.3) v3(38.8,6.3) v3(42.1,32.3) v3(42.1,6.3) v3(44.8,32.3) v3(44.8,6.3) v3(48.1,32.3) v3(48.1,6.3) v3(50.5,32.3) v3(50.5,6.3) v3(53.8,32.3) v3(53.8,6.3) v3(56.5,32.3) v3(56.5,6.3) v3(59.8,32.3) v3(59.8,6.3) v3(62.3,32.3) v3(62.3,29.8) v3(62.3,26.5) v3(62.3,23.8) v3(62.3,20.5) v3(62.3,18.1) v3(62.3,14.8) v3(62.3,12.1) v3(62.3,8.8) v3(62.3,6.3)
